# Altium PCB GPRS-ADM2483-V1.0_______中科院TF卡.PcbDoc (part 1 of 3)
Units mm, origin at the board's own origin, x right, y up, seen from the top; angles counter-clockwise.
Board outline 138.3 x 139.73 mm, 2 copper layers (Top Layer, Bottom Layer); 324 components, 205 nets, 988 pads, 414 vias.
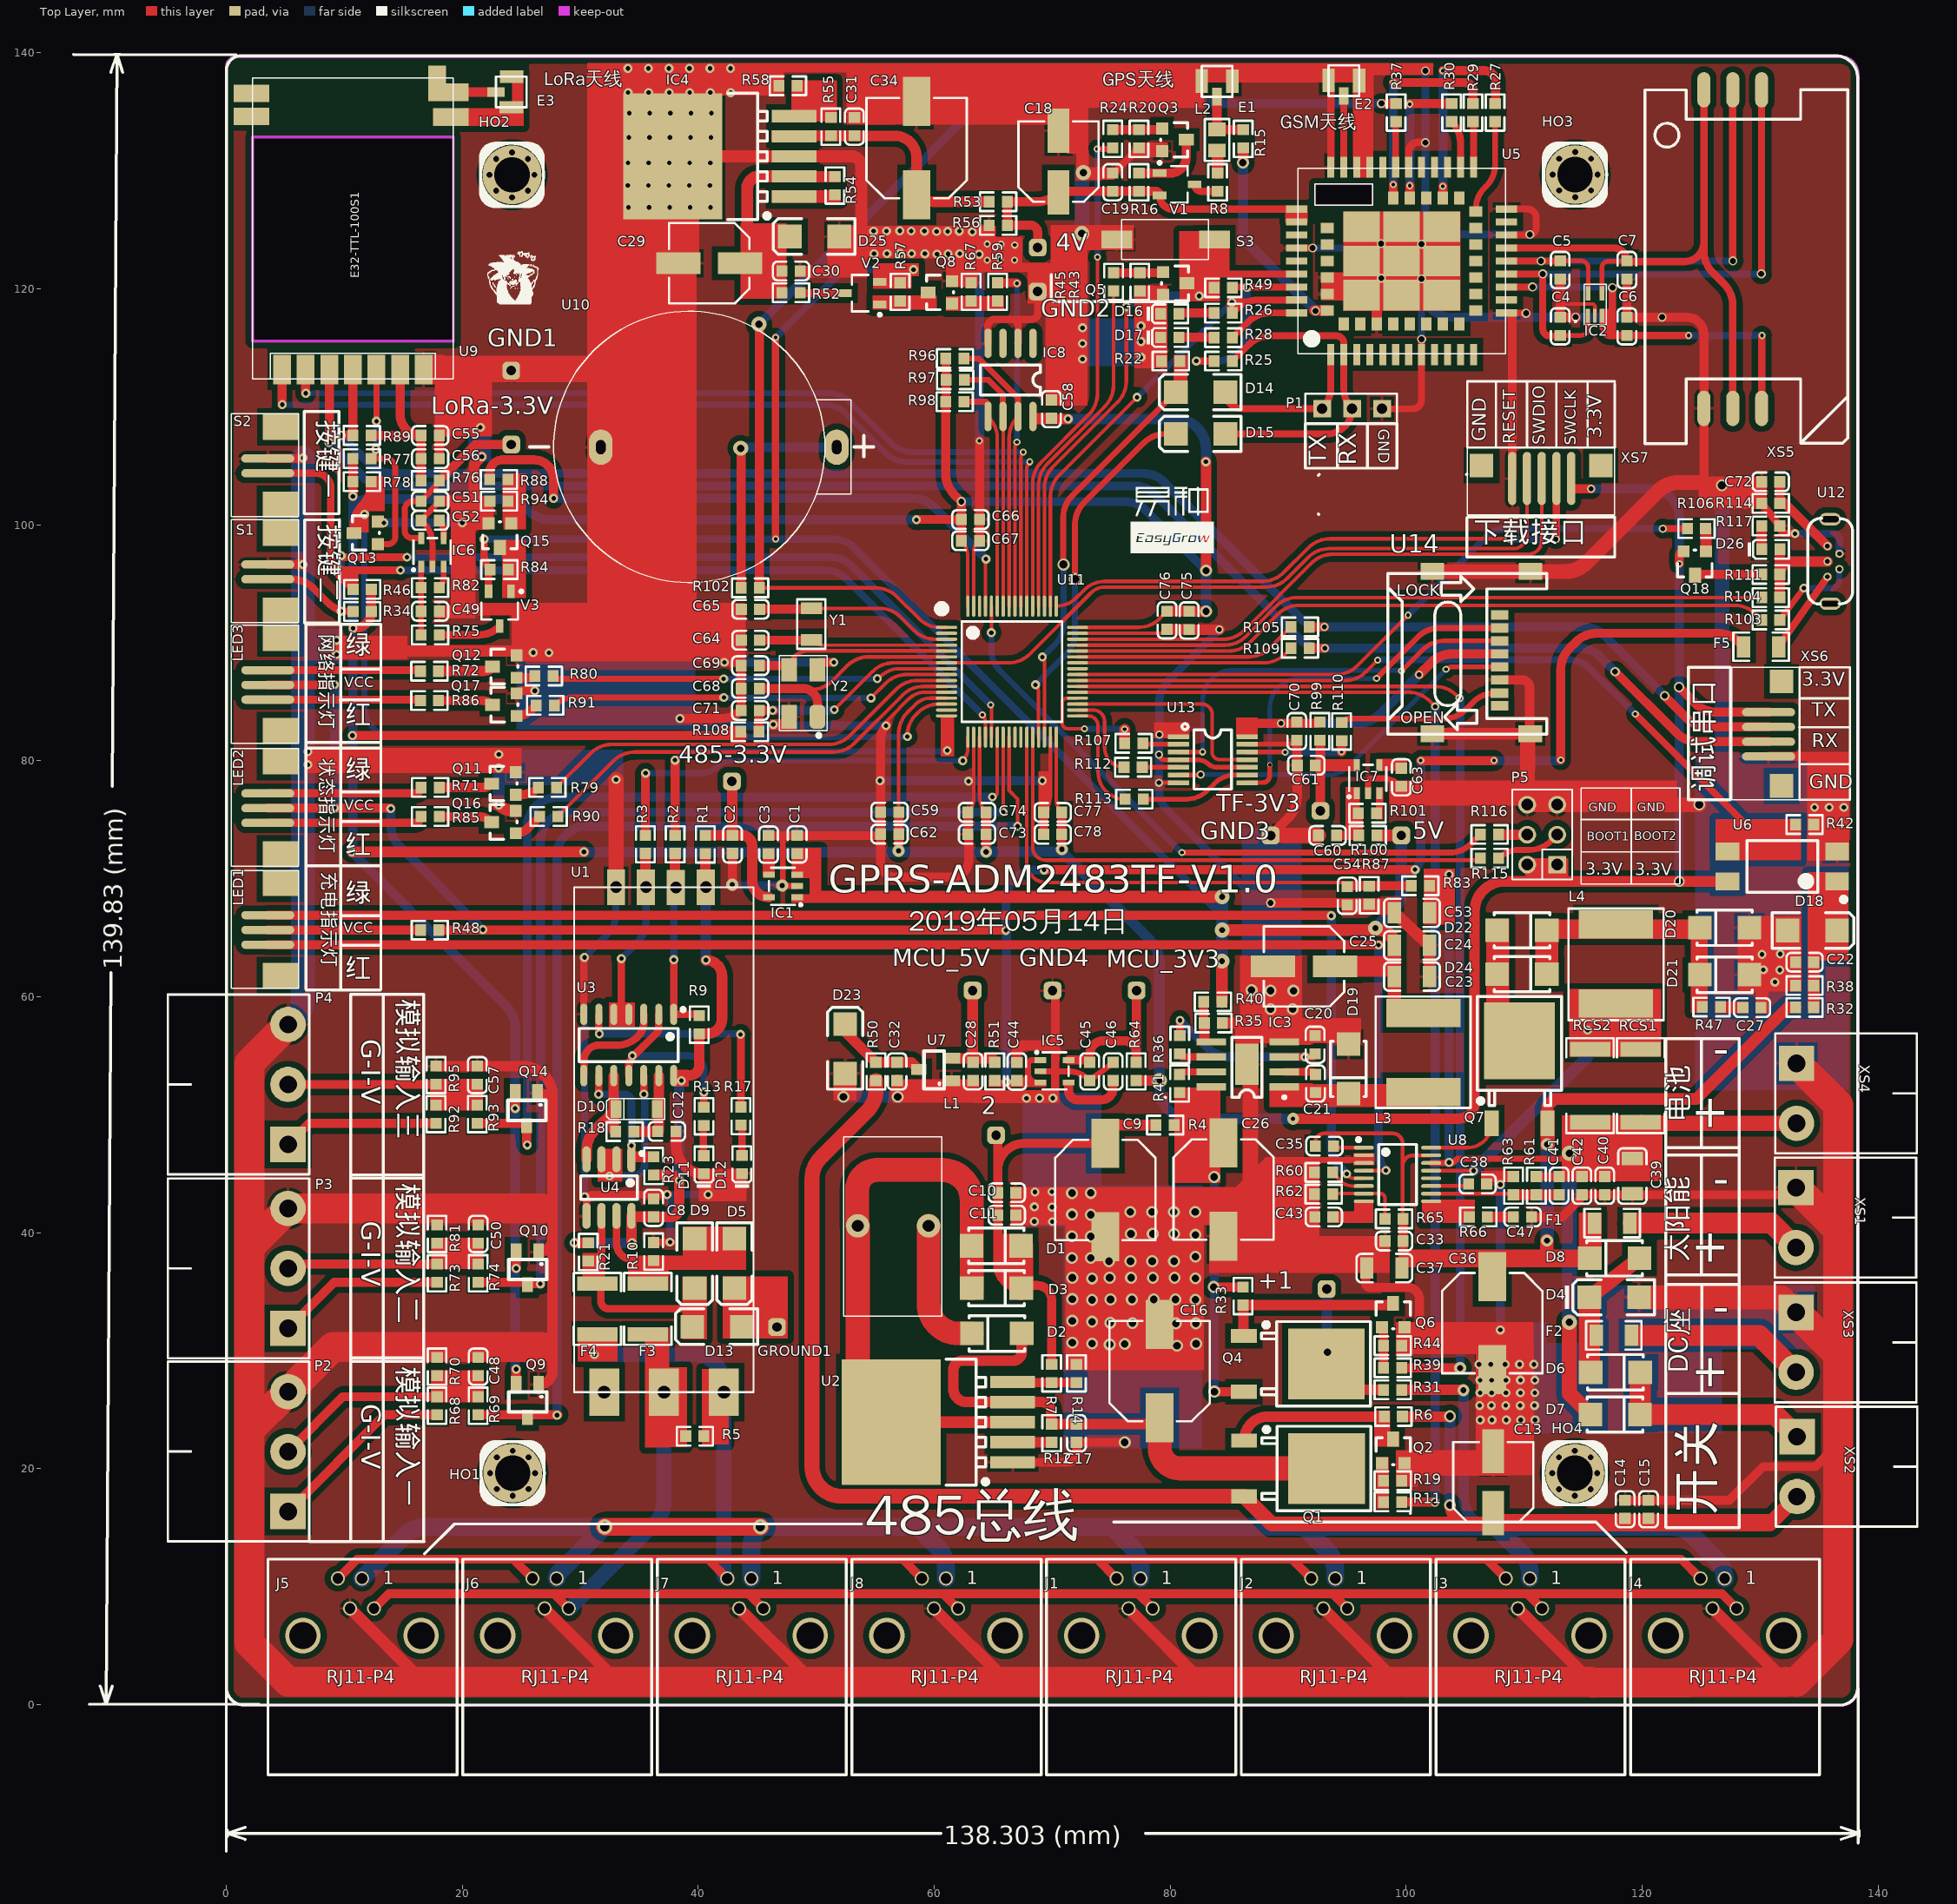
[diagram p0: Top Layer view]
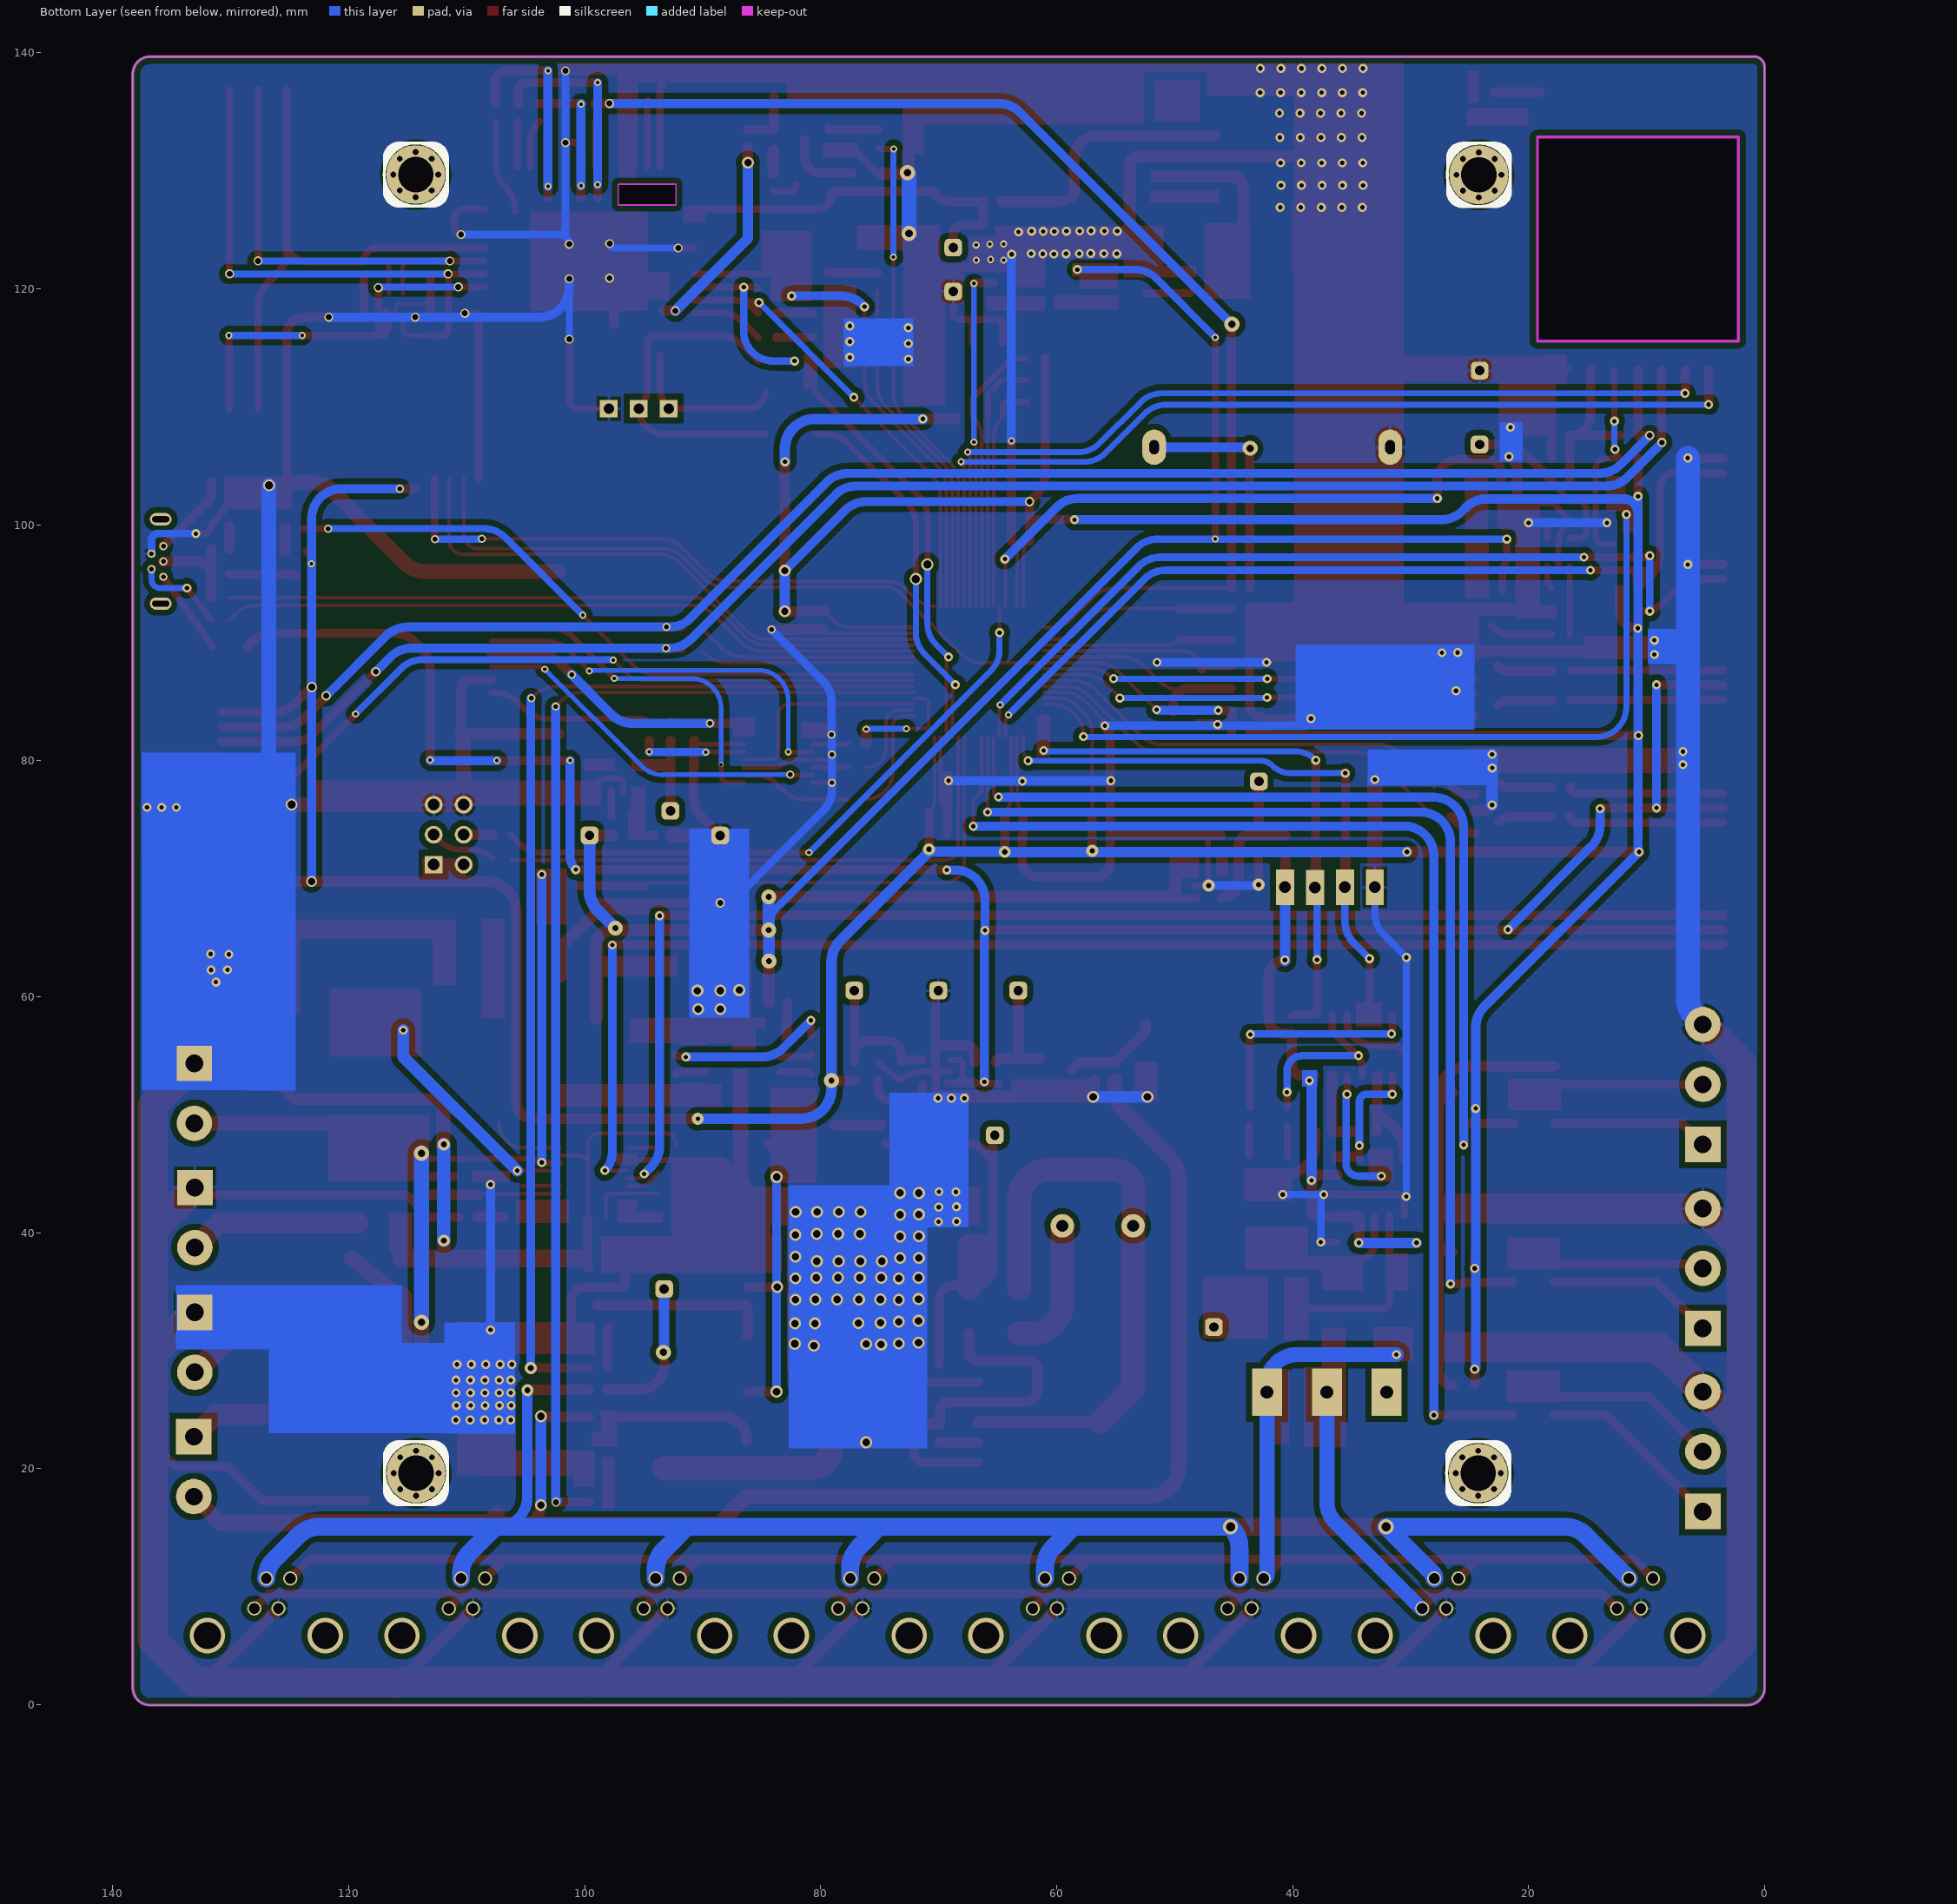
[diagram p1: Bottom Layer view, seen from below]
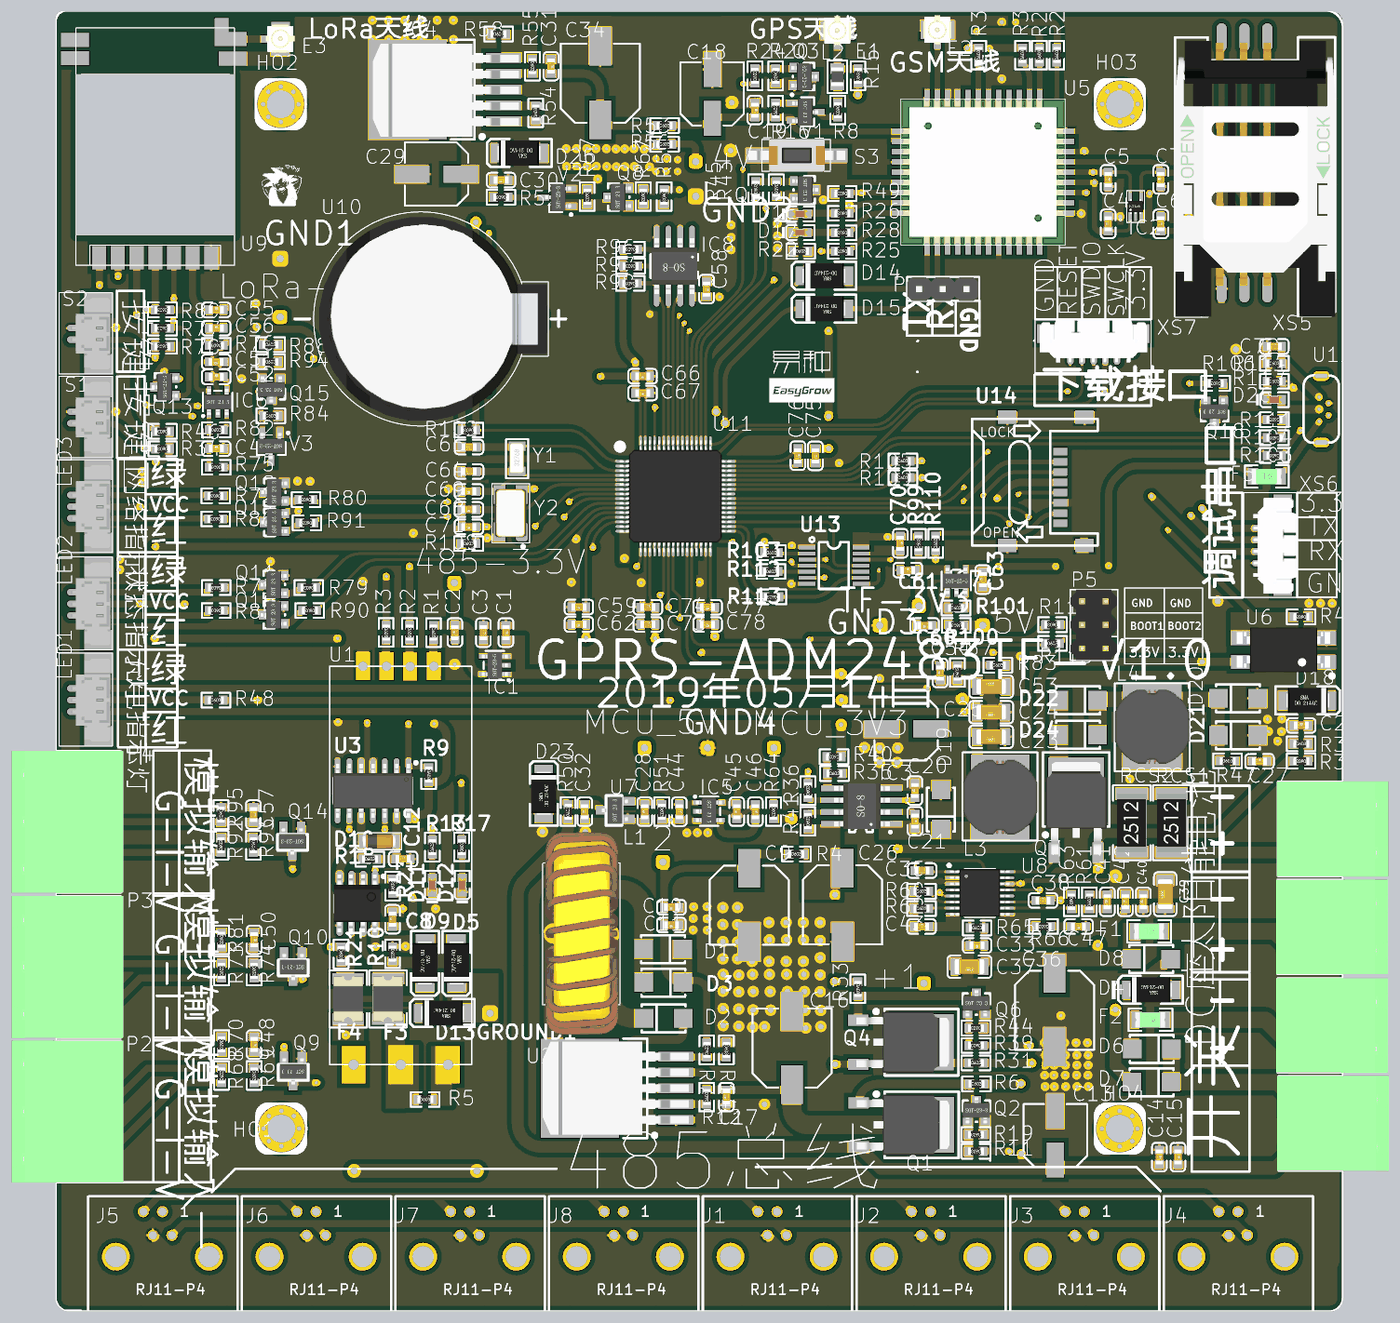
[diagram p4: 3D render of the assembled board from above, using the file's embedded part models]

## Layer stack, top to bottom
Top Solder: solder mask 0.0102, Solder Resist, Dk 3.5
Top Layer: signal copper 0.0356
Dielectric1: dielectric 0.32, FR-4, Dk 4.8
Bottom Layer: signal copper 0.0356
Bottom Solder: solder mask 0.0102, Solder Resist, Dk 3.5

## Board outline
1.498,-0.051 cw(c1.46,1.409) 0,1.372 0,138.746 cw(c0.897,138.781) 0.862,139.678 136.808,139.678 136.789,139.677 cw(c136.85,138.223) 138.305,138.229 138.303,138.229 138.303,1.397 cw(c136.855,1.397) 136.855,-0.051
cut-out: 2.265,132.887 19.25,132.887 19.25,115.56 2.262,115.56 ccw(c2.262,115.511) 2.214,115.511 2.214,132.862
cut-out: 97.167,127.076 92.251,127.076 92.251,128.901 97.167,128.901

## Design rules (kind name [scope] priority, off if disabled: settings)
Clearance [All] p1: gap=0.254 ignorepadtopadclearanceinfootprint=TRUE except(0: Arc-Hole Track-Hole SMDPad-Hole THPad-Hole Via-Hole Fill-Hole Poly-Hole Region-Hole Text-Hole; 0.125: Arc-Arc Arc-Track Arc-SMDPad Arc-THPad Arc-Via Arc-Fill Arc-Poly Arc-Region Arc-Text Track-Track Track-SMDPad Track-THPad Track-Via Track-Fill Track-Poly Track-Region Track-Text)
ComponentClearance [All] p1: gap=0 collisioncheckmode=3 verticalgap=0 showdistances=FALSE
FabricationTestpoint [(IsPad And (OnTopLayer Or OnBottomLayer))] p1: side=3 testpointundercomponent=TRUE minsize=1.016 maxsize=2.54 preferedsize=1.524 minholesize=0 maxholesize=1.016 preferedholesize=0.813 testpointgrid=0.025 allowsidetop=TRUE allowsidebottom=TRUE usegrid=TRUE gridtolerance=0
HoleSize [All] p1: absolutevalues=TRUE maxlimit=5 minlimit=0 maxpercent=80.000 minpercent=20.000
HoleToHoleClearance [All] p1: gap=0 allowstackedmicrovias=TRUE
MinimumSolderMaskSliver [All] p1: minsoldermaskwidth=0
PlaneConnect [All] p1: planeconnectstyle=Direct reliefexpansion=0.508 reliefentries=4 reliefconductorwidth=0.254 reliefairgap=0.254
PolygonConnect PolygonConnect_1 [isvia] p1: connectstyle=Direct reliefconductorwidth=0.254 reliefentries=4 polygonreliefangle="90 Angle" airgapwidth=0.254
PolygonConnect [All] p2: connectstyle=Relief reliefconductorwidth=0.254 reliefentries=4 polygonreliefangle="90 Angle" airgapwidth=0.254
RoutingVias [All] p1: holewidth=0.4 width=0.8 viastyle="Through Hole" minholewidth=0 minwidth=0.3 maxholewidth=40 maxwidth=50
SilkToSilkClearance [All] p1: silktosilkclearance=0
SilkToSolderMaskClearance SilkscreenOverComponentPads [IsPad] p1: minsilkscreentomaskgap=0 clearancetoexposedcopper=TRUE
SolderMaskExpansion [All] p1: expansion=0.102
Width [All] p1: maxlimit=5 minlimit=0.2 preferedwidth=0.6
22 further rules are at their usual default settings.

## Components (designator, comment, footprint, x,y, rotation, side; value= is the part's Value field where it differs from the comment)
2 "12V" TEST_POINT 65.244,48.249 r90 top
4V "4V" TEST_POINT 68.77,123.489 r0 top (schematic designator 4)
5V "5V" TEST_POINT 99.593,73.667 r90 top (schematic designator 3)
485-3.3V "3.3V" TEST_POINT 42.856,78.242 r0 top (schematic designator 1)
+1 "+12V" TEST_POINT 93.268,35.213 r270 top
C1 "1uF (105) 10% 50V" LC-0603_C 48.385,72.897 r270 top
C2 "1uF (105) 10% 50V" LC-0603_C 42.906,72.904 r90 top
C3 "22nF (223) 10% 50V" LC-0603_C 45.963,72.883 r270 top
C4 "47pF (470) 5% 50V" LC-0603_C 113.058,116.809 r90 top
C5 "47pF (470) 5% 50V" LC-0603_C 113.058,121.586 r270 top
C6 "47pF (470) 5% 50V" LC-0603_C 118.712,116.809 r270 top
C7 "47pF (470) 5% 50V" LC-0603_C 118.712,121.586 r90 top
C8 "100nF (104) 10% 50V" LC-0603_C 36.217,42.095 r90 top
C9 "220uF/35V" CAPAE8*10.5 74.509,43.615 r270 top value=1000uF/6V3
C10 "100nF (104) 10% 50V" LC-0603_C 66.155,43.377 r180 top
C11 "1uF (105) 10% 50V" LC-0603_C 66.155,41.472 r180 top
C12 "100nF (104) 10% 50V" LC-0603_C 37.347,48.576 r0 top
C13 "100uF/16V" CAPAE6.3*7.7 107.384,18.84 r90 top value=1000uF/6V3
C14 "1uF (105) 10% 50V" LC-0603_C 118.561,16.549 r270 top
C15 "100nF (104) 10% 50V" LC-0603_C 120.55,16.549 r270 top
C16 "220uF/35V" CAPAE8*10.5 79.112,28.261 r90 top value=1000uF/6V3
C17 "1uF (105) 10% 50V" LC-0603_C 72.061,22.995 r90 top
C18 "100uF/16V" CAPAE6.3*7.7 70.539,130.783 r90 top locked value=1000uF/6V3
C19 "100nF (104) 10% 50V" LC-0603_C 75.134,129.025 r270 top
C20 "1uF (105) 10% 50V" LC-0603_C 92.292,55.921 r90 top
C21 "100nF (104) 10% 50V" LC-0603_C 92.316,52.634 r270 top
C22 "10nF (103) 10% 50V" LC-0603_C 133.775,62.922 r0 top
C23 "22uF/16V" C-1206 100.495,61.699 r180 top value=22uF
C24 "22uF/16V" C-1206 100.495,64.341 r180 top value=22uF
C25 "100uF/16V" CAPAE6.3*7.7 91.349,62.555 r180 top value=1000uF/6V3
C26 "220uF/35V" CAPAE8*10.5 84.529,43.646 r270 top value=1000uF/6V3
C27 "220pF (221) 10% 50V" LC-0603_C 129.315,59.065 r0 top
C28 "1uF (105) 10% 50V" LC-0603_C 63.299,53.657 r90 top
C29 "100uF/16V" CAPAE6.3*7.7 40.93,122.16 r180 top value=1000uF/6V3
C30 "1uF (105) 10% 50V" LC-0603_C 47.864,121.506 r180 top
C31 "100nF (104) 10% 50V" LC-0603_C 53.237,133.741 r270 top
C32 "1uF (105) 10% 50V" LC-0603_C 56.849,53.657 r90 top
C33 "100nF (104) 10% 50V" LC-0603_C 98.98,39.28 r180 top
C34 "220uF/35V" CAPAE8*10.5 58.511,131.919 r90 top locked value=1000uF/6V3
C35 "100nF (104) 10% 50V" LC-0603_C 93.072,47.333 r180 top
C36 "220uF/35V" CAPAE8*10.5 107.296,32.326 r270 top value=1000uF/6V3
C37 "10uF (106) 10% 50V" LC-1206_C 98.16,36.991 r180 top
C38 "100nF (104) 10% 50V" LC-0603_C 106.058,44.123 r0 top
C39 "10uF (106) 10% 50V" LC-1206_C 119.18,44.795 r90 top
C40 "1uF (105) 10% 50V" LC-0603_C 116.834,43.975 r90 top
C41 "3.3pF  5% 50V" LC-0603_C 112.972,43.975 r90 top
C42 "10nF (103) 10% 50V" LC-0603_C 114.898,43.975 r90 top
C43 "470pF (471) 10% 50V" LC-0603_C 93.025,41.321 r0 top
C44 "1uF (105) 10% 50V" LC-0603_C 67.007,53.654 r270 top
C45 "1uF (105) 10% 50V" LC-0603_C 73.182,53.657 r90 top
C46 "22nF (223) 10% 50V" LC-0603_C 75.173,53.657 r270 top
C47 "220nF (224) 10% 25V" LC-0603_C 109.87,41.321 r180 top
C48 "100nF (104) 10% 50V" LC-0603_C 21.354,28.635 r270 top
C49 "1uF (105) 10% 50V" LC-0603_C 17.28,92.662 r0 top
C50 "100nF (104) 10% 50V" LC-0603_C 21.354,39.883 r270 top
C51 "1uF (105) 10% 50V" LC-0603_C 17.274,101.99 r180 top
C52 "10nF (103) 10% 50V" LC-0603_C 17.28,100.364 r0 top
C53 "10uF (106) 10% 50V" LC-1206_C 100.495,67.098 r0 top
C54 "100nF (104) 10% 50V" LC-0603_C 95.011,68.555 r90 top
C55 "100nF (104) 10% 50V" LC-0603_C 17.28,107.564 r0 top
C56 "1uF (105) 10% 50V" LC-0603_C 17.28,105.6 r0 top
C57 "100nF (104) 10% 50V" LC-0603_C 21.275,53.345 r270 top
C58 "100nF (104) 10% 50V" LC-0603_C 69.934,109.796 r270 top
C59 "1uF (105) 10% 50V" LC-0603_C 56.221,75.635 r180 top
C60 "1uF (105) 10% 50V" LC-0603_C 93.345,73.66 r180 top
C61 "1uF (105) 10% 50V" LC-0603_C 91.542,79.604 r0 top
C62 "100nF (104) 10% 50V" LC-0603_C 56.221,73.779 r180 top
C63 "10nF (103) 10% 50V" LC-0603_C 99.593,78.588 r90 top
C64 "6pF (6R0) 0.25pF 50V" LC-0603_C 44.432,90.209 r180 top
C65 "6pF (6R0) 0.25pF 50V" LC-0603_C 44.432,92.833 r180 top
C66 "10uF (106) 10% 10V" LC-0603_C 63.069,100.441 r180 top
C67 "100nF (104) 10% 50V" LC-0603_C 63.069,98.634 r180 top
C68 "20pF (200) 5% 50V" LC-0603_C 44.406,86.119 r180 top
C69 "20pF (200) 5% 50V" LC-0603_C 44.406,88.058 r180 top
C70 "100nF (104) 10% 50V" LC-0603_C 90.736,82.493 r270 top
C71 "100nF (104) 10% 50V" LC-0603_C 44.409,84.253 r180 top
C72 "100nF (104) 10% 50V" LC-0603_C 130.906,103.639 r0 top
C73 "100nF (104) 10% 50V" LC-0603_C 63.631,73.762 r0 top
C74 "10uF (106) 10% 10V" LC-0603_C 63.631,75.619 r0 top
C75 "100nF (104) 10% 50V" LC-0603_C 81.613,91.881 r270 top
C76 "10uF (106) 10% 10V" LC-0603_C 79.738,91.9 r270 top
C77 "100nF (104) 10% 50V" LC-0603_C 70.048,75.613 r180 top
C78 "10uF (106) 10% 10V" LC-0603_C 70.048,73.756 r180 top
D1 "SS54" LC-SMA(DO-214AC)_S1 65.265,38.883 r180 top
D2 "SS54" LC-SMA(DO-214AC)_S1 65.314,31.449 r0 top
D3 "SS54" LC-SMA(DO-214AC)_S1 65.284,35.283 r180 top
D4 "SMAJ30A" LC-SMA(DO-214AC)_S5 117.635,34.511 r0 top
D5 "SMAJ6.5CA" DO-214AC 43.065,37.446 r270 top
D6 "SS54" LC-SMA(DO-214AC)_S1 117.742,28.158 r180 top
D7 "SS54" LC-SMA(DO-214AC)_S1 117.713,24.584 r180 top
D8 "SS54" LC-SMA(DO-214AC)_S1 117.675,37.819 r0 top
D9 "SMAJ6.5CA" DO-214AC 39.701,37.444 r270 top
D10 "1N4148" LL-34 34.787,50.487 r0 top
D11 "红灯 0603" LC-0603_LED_S1 40.482,45.751 r90 top
D12 "蓝灯 0603" LC-0603_LED_S1 43.702,45.772 r90 top
D13 "SMAJ6.5CA" DO-214AC 41.643,32.025 r180 top
D14 "IN4007-M7" SMA(DO-214AC) 82.584,111.242 r0 top
D15 "IN4007-M7" SMA(DO-214AC) 82.584,107.695 r0 top
D16 "红灯 0603" LC-0603_LED_S1 79.98,117.878 r0 top
D17 "绿灯 0603" LC-0603_LED_S1 79.98,115.876 r0 top
D18 "IN4007-M7" SMA(DO-214AC) 134.445,65.603 r180 top
D19 "SS54" LC-SMA(DO-214AC)_S1 95.108,53.874 r90 top
D20 "SS54" LC-SMA(DO-214AC)_S1 126.995,65.835 r0 top
D21 "SS54" LC-SMA(DO-214AC)_S1 126.995,61.856 r0 top
D22 "SS54" LC-SMA(DO-214AC)_S1 109.821,65.619 r180 top
D23 "SMAJ12A" SMA(DO-214AC) 52.45,55.58 r270 top
D24 "SS54" LC-SMA(DO-214AC)_S1 109.821,61.902 r180 top
D25 "SMAJ10A" SMA(DO-214AC) 49.856,124.425 r0 top
D26 "绿灯 0603" LC-0603_LED_S1 130.91,97.913 r0 top
E1 "GPS天线座" IPEX1 83.751,137.348 r180 top
E2 "GSM天线" IPEX1 94.498,137.415 r180 top
E3 "LORA天线座" IPEX1 23.937,136.903 r90 top
F1 "32V/5A" FUSE-1206 117.46,40.801 r180 top
F2 "32V/5A" FUSE-1206 117.604,31.286 r180 top
F3 "60V100mA" FUSE-1812 35.721,33.529 r270 top
F4 "60V100mA" FUSE-1812 31.457,33.529 r270 top
F5 "32V/5A" FUSE-1206 130.086,89.656 r180 top
GND1 "GND" TEST_POINT 24.151,113.062 r90 top
GND2 "GND" TEST_POINT 68.77,119.765 r90 top
GND3 "3.3V" TEST_POINT 88.519,73.653 r90 top
GND4 "GND" TEST_POINT 70.032,60.512 r90 top
GROUND1 "12V" TEST_POINT 46.678,31.991 r90 top
HO1 "安装孔" 安装孔 24.274,19.604 r0 top
HO2 "安装孔" 安装孔 24.219,129.651 r0 top
HO3 "安装孔" 安装孔 114.326,129.675 r0 top
HO4 "安装孔" 安装孔 114.296,19.6 r180 top
IC1 "RT9193-33GB" SOT23-5 46.045,68.364 r90 top
IC2 "ESDA6V8AV5" SOT-553 115.506,117.709 r90 top
IC3 "MP2482" "SO8 -TP" 89.677,52.355 r180 top
IC4 "MIC29302WU" MIC29302WU 48.134,131.222 r0 top
IC5 "RT9193-33GB" SOT23-5 71.338,54.688 r270 top
IC6 "LP5907MFX-3.3" SOT23-5 16.454,98.809 r0 top
IC7 "LP5907MFX-3.3" SOT23-5 95.758,79.584 r0 top
IC8 "AT24C1024" SO8 68.371,115.37 r270 top
J1 "RJ11-P4" RJ11_P4 72.446,5.893 r0 top
J2 "RJ11-P4" RJ11_P4 88.946,5.893 r0 top
J3 "RJ11-P4" RJ11_P4 105.445,5.893 r0 top
J4 "RJ11-P4" RJ11_P4 121.944,5.893 r0 top
J5 "RJ11-P4" RJ11_P4 6.45,5.893 r0 top
J6 "RJ11-P4" RJ11_P4 22.949,5.893 r0 top
J7 "RJ11-P4" RJ11_P4 39.448,5.893 r0 top
J8 "RJ11-P4" RJ11_P4 55.947,5.893 r0 top
L1 "47uH/5A" INDUCTOT(47UH) 56.524,40.574 r180 top
L2 "68nH" L-0805 83.977,132.613 r90 top
L3 "4.7uH" GDCD8040 101.457,54.812 r90 top
L4 "18uH" GDCD8040 117.781,63.215 r270 top
LED1 "JXT-3-I" JXT-3-L 3.516,64.4 r0 top
LED2 "JXT-3-I" JXT-3-L 3.516,74.723 r0 top
LED3 "JXT-3-I" JXT-3-L 3.516,85.169 r0 top
LoRa-3.3V "3.3V" TEST_POINT 24.158,106.797 r0 top (schematic designator LoRa-1)
MCU_3V3 "3.3V" TEST_POINT 77.152,60.512 r90 top (schematic designator MCU_2)
MCU_5V "5V" TEST_POINT 63.259,60.512 r270 top (schematic designator MCU_1)
P1 "3PIN 2.54" HDR1X3 97.968,109.763 r270 top
P2 "3PIN 2.54" WJ2EDGR-5.08-3 5.23,21.441 r90 top
P3 "3PIN 2.54" WJ2EDGR-5.08-3 5.23,36.961 r90 top
P4 "3PIN 2.54" WJ2EDGR-5.08-3 5.23,52.558 r90 top
P5 "2*3  2.54" 201S2X3 112.802,71.184 r90 top
Q1 "AOD413A" TO-252-2 86.265,20.009 r180 top
Q2 "SS8050" SOT-23 97.836,20.441 r0 top